# Altium PCB SerializerBoard.PcbDoc (part 1 of 2) (continued)
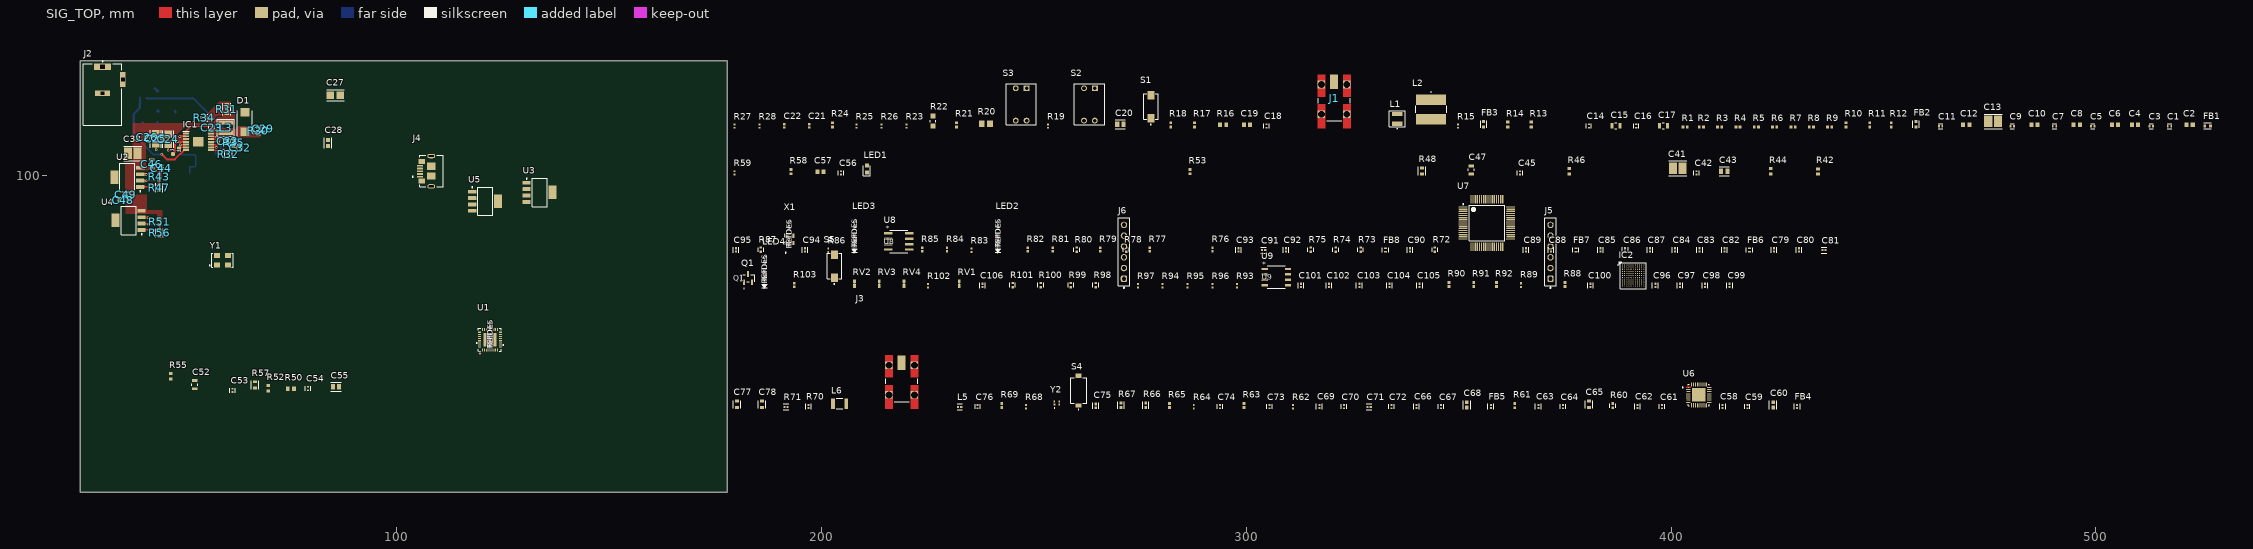
[diagram p0: SIG_TOP view]
## Components (designator, comment, footprint, x,y, rotation, side; value= is the part's Value field where it differs from the comment) (continued)
L3 "4.7uH" XFL4020472MEB 59.725,111.225 r90 top
L4 "4.7uH" XFL4020472MEB 47.85,113.75 r270 bottom
L5 "1000R" FP-BLM15-0_05-IPC_C 232.511,45.502 r0 top
L6 "47uH" IND_ADL3225V-470MT-TL000 204.235,46.252 r0 top
LED1 "Red" LEDC1608X55N 210.66,101.505 r90 top
LED2 "Green" LED_LTW-C193TS5_LTO 241.487,85.104 r90 top
LED3 "Green" LED_LTW-C193TS5_LTO 207.71,85.104 r90 top
LED4 "Green" LED_LTW-C193TS5_LTO 186.509,76.754 r90 top
Q1 "T2N7002AK" SOT-23_TOS 182.659,75.804 r0 top
R1 "10k" RESC1005X40X25ML05T05 403.345,111.405 r0 top
R2 "10k" RESC1005X40X25ML05T05 407.145,111.405 r0 top
R3 "10k" RESC1005X40X25ML05T05 411.47,111.405 r0 top
R4 "10k" RESC1005X40X25ML05T05 415.77,111.405 r0 top
R5 "10k" RESC1005X40X25ML05T05 420.095,111.405 r0 top
R6 "10k" RESC1005X40X25ML05T05 424.421,111.405 r0 top
R7 "10k" RESC1005X40X25ML05T05 428.746,111.405 r0 top
R8 "10k" RESC1005X40X25ML05T05 433.046,111.405 r0 top
R9 "10k" RESC1005X40X25ML05T05 437.371,111.405 r0 top
R10 "10k" RESC1005X40X25ML05T05 441.172,111.905 r90 top
R11 "10k" RESC1005X40X25ML05T05 446.772,111.905 r90 top
R12 "10k" RESC1005X40X25ML05T05 451.847,111.905 r90 top
R13 "1k" RESC1608X55X30LL15T15 367.093,111.955 r90 top
R14 "1k" RESC1608X55X30LL15T15 361.518,111.955 r90 top
R15 "0R" RESC1005X40X25LL05T05 349.867,111.605 r90 top
R16 "49.9R" RESC1608X55X30ML15T15 294.539,111.905 r0 top
R17 "10k" RESC1005X40X25ML05T05 287.789,111.905 r90 top
R18 "10k" RESC1005X40X25ML05T05 282.214,111.905 r90 top
R19 "0R" RESC1005X40X25LL05T05 253.262,111.605 r90 top
R20 "100k" RESC2013X70X40ML20T20 238.687,112.155 r0 top
R21 "10k" RESC1005X40X25ML05T05 231.761,111.905 r90 top
R22 "4.7k" FP-ERJ6GE-MFG 226.211,112.781 r90 top
R23 "0R" RESC1005X40X25LL05T05 219.936,111.605 r90 top
R24 "10k" RESC1005X40X25ML05T05 202.535,111.905 r90 top
R25 "0R" RESC1005X40X25LL05T05 208.235,111.605 r90 top
R26 "0R" RESC1005X40X25LL05T05 214.085,111.605 r90 top
R27 "4.7k" RESC1005X40X25LL05T05 179.509,111.605 r90 top
R28 "4.7k" RESC1005X40X25LL05T05 185.359,111.605 r90 top
R30 "1k" FP-CRCW0603-e3-MFG 67.325,110.5 r90 top
R31 "30.0K" FP-ERJ3EK-IPC_A 59.925,115.6 r90 top
R32 "0" FP-ERJ-3GEY0R00V-MFG 60.3,105 r270 top value=0Ω
R33 "10.0K" RESC1609X55X30LL15T15 41.05,118.85 r270 bottom
R34 "5.69k" FP-RN73R1E-IPC_A 54.65,113.6 r180 top
R35 "20.0K" RESC1608X55X30ML15T15 61.575,107.65 r270 top
R36 "10.0K" RESC1609X55X30LL15T15 39.5,118.925 r270 bottom
R37 "0" FP-ERJ-3GEY0R00V-MFG 40.2,116.95 r0 bottom value=0Ω
R38 "53k" FP-RN73R1E-MFG 57.3,104.575 r270 bottom
R39 "34.0K" RESC1608X55X30ML15T15 51.2,102.7 r270 bottom
R40 "20.0K" RESC1608X55X30ML15T15 51.85,100.55 r0 bottom
R41 "16.5K" RESC1608X55X30LL15T15 43.2,99.325 r90 bottom
R42 "16.5K" RESC1608X55X30LL15T15 434.621,100.905 r90 top
R43 "10.0K" RESC1609X55X30LL15T15 44.025,99.625 r270 top
R44 "10.0K" RESC1609X55X30LL15T15 423.446,100.955 r90 top
R45 "10.0K" RESC1609X55X30LL15T15 41.95,98.025 r270 bottom
R46 "10.0K" RESC1609X55X30LL15T15 376.043,100.955 r90 top
R47 "0" FP-ERJ-3GEY0R00V-MFG 44.025,97.1 r270 top value=0Ω
R48 "0" FP-ERJ-3GEY0R00V-MFG 341.342,101.03 r90 top value=0Ω
R49 "4.53K" RESC1608X55X30ML15T15 44.1,89.25 r90 bottom
R50 "4.53K" RESC1608X55X30ML15T15 75,49.8 r0 top
R51 "10.0K" RESC1609X55X30LL15T15 44.1,89.1 r270 top
R52 "10.0K" RESC1609X55X30LL15T15 69.675,49.85 r90 top
R53 "330" RESC1005X40X25ML05T05 286.739,100.855 r90 top
R54 "10.0K" RESC1609X55X30LL15T15 42.675,87.8 r270 bottom
R55 "10.0K" RESC1609X55X30LL15T15 46.725,52.675 r90 top
R56 "0" FP-ERJ-3GEY0R00V-MFG 44.125,86.425 r270 top value=0Ω
R57 "0" FP-ERJ-3GEY0R00V-MFG 66.575,50.65 r90 top value=0Ω
R58 "10K" RESC1005X40X25ML05T05 192.759,100.855 r90 top
R59 "0" RESC1005X40X25LL05T05 179.509,100.555 r90 top
R60 "49.9R" FP-CRCW0402-e3-MFG 386.294,45.752 r90 top
R61 "33R" RESC1005X40X25ML05T05 363.218,45.802 r90 top
R62 "4.7k" RESC1005X40X25LL05T05 310.99,45.502 r90 top
R63 "10k" RESC1005X40X25ML05T10 299.44,45.802 r90 top
R64 "4.7k" RESC1005X40X25LL05T05 287.614,45.502 r90 top
R65 "10k" RESC1005X40X25ML05T10 281.914,45.802 r90 top
R66 "4.7k" FP-CRCW0402-e3-IPC_A 276.313,45.877 r90 top
R67 "4.7k" FP-CRCW0402-e3-IPC_A 270.463,45.877 r90 top
R68 "0" RESC1005X40X25LL05T05 248.112,45.502 r90 top
R69 "10k" RESC1005X40X25ML05T10 242.437,45.802 r90 top
R70 "2.00k" FP-CRCW0402-e3-IPC_C 196.885,45.577 r90 top
R71 "0" FP-CRCW0402-e3-IPC_C 191.609,45.502 r0 top
R72 "22R" FP-RC0402-0_4-MFG 344.417,82.504 r90 top
R73 "22R" FP-RC0402-0_4-MFG 326.891,82.504 r90 top
R74 "22R" FP-RC0402-0_4-MFG 321.041,82.504 r90 top
R75 "22R" FP-RC0402-0_4-MFG 315.19,82.504 r90 top
R76 "100k" RESC1005X40X25NL05T10 292.039,82.529 r90 top
R77 "100k" RESC1005X40X25NL05T10 277.289,82.529 r90 top
R78 "22R" FP-RC0402-0_4-MFG 271.738,82.504 r90 top
R79 "12k" RESC1005X40X25NL05T10 265.588,82.529 r90 top
R80 "22R" FP-RC0402-0_4-MFG 260.063,82.504 r90 top
R81 "12k" RESC1005X40X25NL05T10 254.412,82.529 r90 top
R82 "2.49k" RESC1005X40X25NL05T10 248.562,82.529 r90 top
R83 "510R" RESC1005X40X25LL05T05 235.311,82.379 r90 top
R84 "12k" RESC1005X40X25NL05T10 229.511,82.529 r90 top
R85 "12k" RESC1005X40X25NL05T10 223.661,82.529 r90 top
R86 "510R" RESC1005X40X25LL05T05 201.56,82.379 r90 top
R87 "22R" FP-RC0402-0_4-MFG 185.709,82.504 r90 top
R88 "10k" RESC1005X40X25ML05T10 375.043,74.329 r90 top
R89 "1k" RESC1005X40X25NL05T05 364.668,74.179 r90 top
R90 "10k" RESC1005X40X25ML05T10 347.742,74.329 r90 top
R91 "10k" RESC1005X40X25ML05T10 353.567,74.329 r90 top
R92 "10k" RESC1005X40X25ML05T10 358.918,74.329 r90 top
R93 "4.7k" RESC1005X40X25LL05T05 297.84,74.029 r90 top
R94 "4.7k" RESC1005X40X25LL05T05 280.289,74.029 r90 top
R95 "4.7k" RESC1005X40X25LL05T05 286.139,74.029 r90 top
R96 "4.7k" RESC1005X40X25LL05T05 291.989,74.029 r90 top
R97 "4.7k" RESC1005X40X25LL05T05 274.463,74.029 r90 top
R98 "22R" FP-RC0402-0_4-MFG 264.538,74.154 r90 top
R99 "22R" FP-RC0402-0_4-MFG 258.688,74.154 r90 top
R100 "22R" FP-RC0402-0_4-MFG 251.587,74.154 r90 top
R101 "22R" FP-RC0402-0_4-MFG 244.962,74.154 r90 top
R102 "510R" RESC1005X40X25LL05T05 225.061,74.029 r90 top
R103 "12k" RESC1005X40X25NL05T10 193.584,74.179 r90 top
RV1 "CG0402MLU-3.3G" VARC1005X41N 232.386,74.504 r90 top
RV2 "*" VARC1005X41N 207.735,74.504 r90 top
RV3 "*" VARC1005X41N 213.585,74.504 r90 top
RV4 "*" VARC1005X41N 219.411,74.504 r90 top
S1 "EVQPNF04M" EVQ5PN05K 277.564,115.531 r90 top
S2 "78B02ST" 78B02ST 261.788,120.506 r0 top
S3 "78B02ST" 78B02ST 245.712,120.506 r0 top
S4 "KSR221G_LFS" KSR 260.513,49.327 r90 top
S5 "EVQPNF04M" EVQ5PN05K 203.035,77.954 r90 top
TP1 "TP_NOBOM" PAD_RND_1MM 47.25,105 r90 top
TP2 "TP_NOBOM" PAD_RND_1MM 48.7,106.35 r90 top
U1 "DS90UB913ATRTVTQ1" RTV32_3P1X3P1_TEX-L 121.9,61.3 r90 top
U2 "LP38693MP-ADJ/NOPB" NDC0005A_N 36.5,99.525 r180 top
U3 "LP38693MP-ADJ/NOPB" NDC0005A_N 133.6,96 r0 top
U4 "LP38693MP-ADJ/NOPB" NDC0005A_N 36.825,89.4 r180 top
U5 "LP38693MP-ADJ/NOPB" NDC0005A_N 120.775,93.9 r0 top
U6 "DS90UB933TRTVRQ1" FP-RTV0032A-IPC_A 406.545,48.302 r0 top
U7 "FT2232HL-Reel" LQFP-64_M 356.642,88.779 r0 top
U8 "AT93C46EN-SH-B" 8S1_ATM 218.136,84.454 r0 top
U9 "W25Q40CLSNIG" WIN_SN-8_WIN 307.065,76.054 r0 top
X1 "ECS-2520MV-120-BN-TR" SMD4_ECS-2520MV_ECS 192.384,84.929 r90 top
Y1 "ECS-3963-480-BN-TR" OSC_ECS-3963-480-BN-TR 58.9,80 r0 top
Y2 "DSC6111HI1B-048.0000B" DSC6111HI1B0480000B 255.387,46.402 r0 top

## Footprints (in the part's own frame and the unit in brackets; to place one, negate y for a bottom-side part, rotate by r counter-clockwise, add the part's x,y. Pads: shape width x height; smd on the part's side, far side on the other; paste and mask are expansions set on the pad)
8S1_ATM [mm]
  rect 1.981x0.561 smd paste+0 mask+0: 1(-2.465,1.905) 2(-2.465,0.635) 3(-2.465,-0.635) 4(-2.465,-1.905) 5(2.465,-1.905) 6(2.465,-0.635) 7(2.465,0.635) 8(2.465,1.905)
  silkscreen extent -2.12,-2.65 2.12,2.65, body extent -3.1,-2.52 3.1,2.52, height 1.75
78B02ST [mm]
  rect 1.381x1.381 hole 0.85: 1(2.54,0)
  round 1.381 hole 0.85: 2(0,-7.62) 3(0,0) 4(2.54,-7.62)
  silkscreen extent -2.28,-8.63 4.82,1.01, body extent -2.28,-8.63 4.82,1.01, height 7.11
1008PS [mm]
  rect 2.54x1.02 smd: 1(0,-1.145) 2(0,1.145)
  silkscreen extent -1.89,-2.38 1.89,1.91, body extent -1.89,-1.91 1.89,1.91, height 2.74
61300611821 [mm] "Socket Header, Pitch 2.54 mm, THT, Vertical, single row, 6p"
  rrect50% 1.52x1.52 hole 1.02: 1(-6.35,0)
  round 1.52 hole 1.02: 2(-3.81,0) 3(-1.27,0) 4(1.27,0) 5(3.81,0) 6(6.35,0)
  silkscreen extent -8.6,-1.35 8,1.35, body extent -7.87,-1.25 7.87,1.25, height 8.55
CAPC1005X55X25LL05T10 [mm] "Chip Capacitor, 2-Leads, Body 1.00x0.50mm, IPC High Density"
  rect 0.56x0.52 smd: 1(-0.39,0) 2(0.39,0)
  body extent -0.53,-0.28 0.53,0.28, height 0.55
CAPC1608X90X35ML10T15 [mm] "Chip Capacitor, 2-Leads, Body 1.60x0.80mm, IPC Low Density"
  rect 0.95x1.05 smd: 1(-0.725,0) 2(0.725,0)
  body extent -0.85,-0.45 0.85,0.45, height 0.9
CSFBGA-121_L6.0-W6.0-R11-C11-P0.50-TL [mm]
  round 0.24 smd paste-100 mask+0.05: A1(-2.263,2.386) A2(-1.763,2.386) A3(-1.263,2.386) A4(-0.763,2.386) A5(-0.263,2.386) A6(0.237,2.386) A7(0.737,2.386) A8(1.237,2.386) A9(1.737,2.386) A10(2.237,2.386) A11(2.737,2.386) B1(-2.263,1.886) B2(-1.763,1.886) B3(-1.263,1.886) B4(-0.763,1.886) B5(-0.263,1.886) B6(0.237,1.886) B7(0.737,1.886) B8(1.237,1.886) B9(1.737,1.886) B10(2.237,1.886) B11(2.737,1.886) C1(-2.263,1.386) C2(-1.763,1.386) C3(-1.263,1.386) C4(-0.763,1.386) C5(-0.263,1.386) C6(0.237,1.386) C7(0.737,1.386) C8(1.237,1.386) C9(1.737,1.386) C10(2.237,1.386) C11(2.737,1.386) D1(-2.263,0.886) D2(-1.763,0.886) D3(-1.263,0.886) D4(-0.763,0.886) D5(-0.263,0.886) D6(0.237,0.886) D7(0.737,0.886) D8(1.237,0.886) D9(1.737,0.886) D10(2.237,0.886) D11(2.737,0.886) E1(-2.263,0.386) E2(-1.763,0.386) E3(-1.263,0.386) E4(-0.763,0.386) E5(-0.263,0.386) E6(0.237,0.386) E7(0.737,0.386) E8(1.237,0.386) E9(1.737,0.386) E10(2.237,0.386) E11(2.737,0.386) F1(-2.263,-0.114) F2(-1.763,-0.114) F3(-1.263,-0.114) F4(-0.763,-0.114) F5(-0.263,-0.114) F6(0.237,-0.114) F7(0.737,-0.114) F8(1.237,-0.114) F9(1.737,-0.114) F10(2.237,-0.114) F11(2.737,-0.114) G1(-2.263,-0.614) G2(-1.763,-0.614) G3(-1.263,-0.614) G4(-0.763,-0.614) G5(-0.263,-0.614) G6(0.237,-0.614) G7(0.737,-0.614) G8(1.237,-0.614) G9(1.737,-0.614) G10(2.237,-0.614) G11(2.737,-0.614) H1(-2.263,-1.114) H2(-1.763,-1.114) H3(-1.263,-1.114) H4(-0.763,-1.114) H5(-0.263,-1.114) H6(0.237,-1.114) H7(0.737,-1.114) H8(1.237,-1.114) H9(1.737,-1.114) H10(2.237,-1.114) H11(2.737,-1.114) J1(-2.263,-1.614) J2(-1.763,-1.614) J3(-1.263,-1.614) J4(-0.763,-1.614) J5(-0.263,-1.614) J6(0.237,-1.614) J7(0.737,-1.614) J8(1.237,-1.614) J9(1.737,-1.614) J10(2.237,-1.614) J11(2.737,-1.614) K1(-2.263,-2.114) K2(-1.763,-2.114) K3(-1.263,-2.114) K4(-0.763,-2.114) K5(-0.263,-2.114) K6(0.237,-2.114) K7(0.737,-2.114) K8(1.237,-2.114) K9(1.737,-2.114) K10(2.237,-2.114) K11(2.737,-2.114) L1(-2.263,-2.614) L2(-1.763,-2.614) L3(-1.263,-2.614) L4(-0.763,-2.614) L5(-0.263,-2.614) L6(0.237,-2.614) L7(0.737,-2.614) L8(1.237,-2.614) L9(1.737,-2.614) L10(2.237,-2.614) L11(2.737,-2.614)
  silkscreen extent -3.39,-3.19 3.31,3.19, body extent -2.79,-3.05 3.21,2.95, height 1
DIOM5436X256N [mm]
  rect 2x2.05 smd: 1(-2.3,0) 2(2.3,0)
  silkscreen extent -3.3,-1.78 2.7,1.78, body extent -2.7,-1.78 2.7,1.78, height 2.56
DSC6111HI1B0480000B [mm]
  rect 0.43x0.5 smd: 1(-0.56,-0.375)
  rect 0.35x0.5 smd: 2(0.6,-0.375) 3(0.6,0.375) 4(-0.6,0.375)
  silkscreen extent -0.61,-1.2 -0.51,-1.1, body extent -0.8,-0.6 0.8,0.6, height 0.99
EVQ5PN05K [mm]
  rect 2x1.6 smd: A1(-2.05,0) B1(3.35,0)
  silkscreen extent -3.65,-1.75 3.65,1.75
FP-BLM15-0_05-d0_7-MFG [mm]
  rect 0.4x0.7 smd paste-1000 mask-1000: 1(-0.4,0) 2(0.4,0)
  silkscreen extent -0.53,-0.72 0.52,0.72, body extent -0.7,-0.45 0.7,0.45, height 0.25
FP-BLM15-0_05-IPC_C [mm]
  rect 0.515x0.472 smd paste+0 mask+0: 1(-0.379,0) 2(0.379,0)
  silkscreen extent -0.64,-0.67 0.64,0.67, body extent -0.74,-0.38 0.74,0.38, height 0.25
FP-BLM18-0_15-t0_8-MFG [mm]
  rect 0.65x0.7 smd paste+0 mask+0: 1(-0.675,0) 2(0.675,0)
  silkscreen extent -0.87,-0.72 0.87,0.72, body extent -1.1,-0.58 1.1,0.58, height 0.25
FP-C0402-BB-MFG [mm]
  rect 0.52x0.52 smd paste+0 mask+0: 1(-0.4,0) 2(0.4,0)
  silkscreen extent -0.5,-0.64 0.5,0.64, body extent -0.5,-0.25 0.5,0.25, height 0.55
FP-C1005-050-0_05-IPC_B [mm]
  rect 0.639x0.572 smd paste+0 mask+0: 1(-0.417,0) 2(0.417,0)
  silkscreen extent -0.74,-0.69 0.74,0.69, body extent -0.89,-0.44 0.89,0.44, height 0.25
FP-C1005-050-0_05-IPC_C [mm]
  rect 0.539x0.472 smd paste+0 mask+0: 1(-0.367,0) 2(0.367,0)
  silkscreen extent -0.64,-0.67 0.64,0.67, body extent -0.74,-0.38 0.74,0.38, height 0.25
FP-C2012-125-0_2-MFG [mm]
  rect 0.8x1.05 smd paste+0 mask+0: 1(-0.925,0) 2(0.925,0)
  silkscreen extent -0.15,-0.72 0.15,0.72, body extent -1,-0.63 1,0.63, height 1.45
FP-C3216-160-0_2-IPC_B [mm]
  rect 1.754x1.806 smd paste+0 mask+0: 1(-1.176,0) 2(1.176,0)
  silkscreen extent -2.05,-1.3 2.05,1.3, body extent -2.3,-1.15 2.3,1.15, height 0.25
FP-CL278-IPC_C [mm]
  rect 0.515x0.472 smd paste+0 mask+0: 1(-0.379,0) 2(0.379,0)
  silkscreen extent -0.64,-0.67 0.64,0.67, body extent -0.74,-0.38 0.74,0.38, height 0.25
FP-CL282-IPC_C [mm]
  rect 0.515x0.472 smd paste+0 mask+0: 1(-0.379,0) 2(0.379,0)
  silkscreen extent -0.64,-0.67 0.64,0.67, body extent -0.74,-0.38 0.74,0.38, height 0.25
FP-CRCW0402-e3-IPC_A [mm]
  rect 0.668x0.672 smd paste+0 mask+0: 1(-0.502,0) 2(0.502,0)
  silkscreen extent -0.84,-0.74 0.84,0.74, body extent -1.04,-0.54 1.04,0.54, height 0.25
FP-CRCW0402-e3-IPC_C [mm]
  rect 0.468x0.472 smd paste+0 mask+0: 1(-0.402,0) 2(0.402,0)
  silkscreen extent -0.64,-0.67 0.64,0.67, body extent -0.74,-0.38 0.74,0.38, height 0.25
FP-CRCW0402-e3-MFG [mm]
  rect 0.6x0.6 smd paste+0 mask+0: 1(-0.525,0) 2(0.525,0)
  silkscreen extent -0.53,-0.7 0.53,0.7, body extent -0.92,-0.4 0.92,0.4, height 0.25
FP-CRCW0603-e3-MFG [mm]
  rect 0.75x1 smd paste+0 mask+0: 1(-0.75,0) 2(0.75,0)
  silkscreen extent -0.8,-0.9 0.8,0.9, body extent -1.22,-0.6 1.22,0.6, height 0.25
FP-ERJ3EK-IPC_A [mil]
  rect 45.53x41.82 smd paste+0 mask+0: 1(-33.5,0) 2(33.5,0)
  silkscreen extent -56,-37 56,37, body extent -76,-41 76,41, height 10
FP-ERJ6GE-MFG [mm]
  rect 1.15x1.15 smd paste+0 mask+0: 1(-1.175,0) 2(1.175,0)
  silkscreen extent -0.23,-0.67 0.22,0.67, body extent -1.85,-0.77 1.85,0.77, height 0.25
FP-ERJ-3GEY0R00V-MFG [mm]
  rect 0.65x0.9 smd paste+0 mask+0: 1(-0.725,0) 2(0.725,0)
  silkscreen extent -1.03,-0.87 1.03,0.87, body extent -1.15,-0.58 1.15,0.58, height 0.25
FP-GCM32E-0_3-IPC_B [mm]
  rect 1.903x2.706 smd paste+0 mask+0: 1(-1.151,0) 2(1.151,0)
  silkscreen extent -2.1,-1.75 2.1,1.75, body extent -2.35,-1.6 2.35,1.6, height 0.25
FP-GCM155-0_05-IPC_C [mm]
  rect 0.515x0.472 smd paste+0 mask+0: 1(-0.379,0) 2(0.379,0)
  silkscreen extent -0.64,-0.67 0.64,0.67, body extent -0.74,-0.38 0.74,0.38, height 0.25
FP-GRM15-MFG [mm]
  rect 0.4x0.5 smd paste+0 mask+0: 1(-0.4,0) 2(0.4,0)
  silkscreen extent -0.53,-0.63 0.53,0.63, body extent -0.7,-0.38 0.7,0.38, height 0.25
FP-GRM21B-0_1-IPC_C [mm]
  rect 0.958x1.262 smd paste+0 mask+0: 1(-0.727,0) 2(0.727,0)
  silkscreen extent -1.21,-1.07 1.21,1.07, body extent -1.31,-0.77 1.31,0.77, height 0.25
FP-GRM21B-0_15-MFG [mm]
  rect 0.7x1.3 smd paste+0 mask+0: 1(-0.95,0) 2(0.95,0)
  silkscreen extent -0.23,-0.7 0.23,0.7, body extent -1.4,-0.8 1.4,0.8, height 0.25
FP-GRM188-0_1-e0_2_0_5-IPC_B [mm]
  rect 0.959x0.912 smd paste+0 mask+0: 1(-0.727,0) 2(0.727,0)
  silkscreen extent -1.21,-0.86 1.21,0.86, body extent -1.46,-0.71 1.46,0.71, height 0.25
FP-GRM188-0_2-MFG [mm]
  rect 0.75x0.9 smd paste+0 mask+0: 1(-0.775,0) 2(0.775,0)
  silkscreen extent -0.9,-0.9 0.9,0.9, body extent -1.25,-0.6 1.25,0.6, height 0.25
FP-GRM188-0_15-IPC_C [mm]
  rect 0.856x0.858 smd paste+0 mask+0: 1(-0.601,0) 2(0.601,0)
  silkscreen extent -1.03,-0.87 1.03,0.87
FP-RC0402-0_4-MFG [mm]
  rect 0.5x0.6 smd: 1(-0.5,0) 2(0.5,0)
  silkscreen extent -0.5,-0.67 0.5,0.67, body extent -0.85,-0.4 0.85,0.4, height 0.25
FP-RN73R1E-IPC_A [mm]
  rect 0.688x0.672 smd paste+0 mask+0: 1(-0.514,0) 2(0.514,0)
  silkscreen extent -0.86,-0.74 0.86,0.74, body extent -1.06,-0.54 1.06,0.54, height 0.25
FP-RN73R1E-MFG [mm]
  rect 0.4x0.3 smd paste+0 mask+0: 1(-0.45,0) 2(0.45,0)
  silkscreen extent -0.4,-0.53 0.4,0.53, body extent -0.5,-0.25 0.5,0.25, height 0.4
FP-RTV0032A-IPC_A [mm]
  round 0.215 smd paste+0 mask+0: 1(-2.463,1.75)
  rrect100% 1.057x0.239 smd paste+0 mask+0: 2(-2.451,1.25) 3(-2.451,0.75) 4(-2.451,0.25) 5(-2.451,-0.25) 6(-2.451,-0.75) 7(-2.451,-1.25) 8(-2.451,-1.75) 17(2.451,-1.75) 18(2.451,-1.25) 19(2.451,-0.75) 20(2.451,-0.25) 21(2.451,0.25) 22(2.451,0.75) 23(2.451,1.25) 24(2.451,1.75)
  rrect100% 0.239x1.057 smd paste+0 mask+0: 9(-1.75,-2.451) 10(-1.25,-2.451) 11(-0.75,-2.451) 12(-0.25,-2.451) 13(0.25,-2.451) 14(0.75,-2.451) 15(1.25,-2.451) 16(1.75,-2.451) 25(1.75,2.451) 26(1.25,2.451) 27(0.75,2.451) 28(0.25,2.451) 29(-0.25,2.451) 30(-0.75,2.451) 31(-1.25,2.451) 32(-1.75,2.451)
  rect 3.2x3.2 smd paste-1000 mask+0: ""(0,0)
  SIG_TOP region: -2.979,1.87 -2.042,1.87 -1.996,1.861 -1.957,1.835 -1.931,1.796 -1.922,1.75 -1.922,1.75 -1.931,1.704 -1.957,1.665 -1.996,1.639 -2.042,1.63 -2.042,1.63 -2.979,1.63
  silkscreen extent -3.9,-2.5 2.5,2.5, body extent -3.48,-3.48 3.48,3.48, height 0.25
GCT_USB3076-XX-X_REVC5 [mm]
  rect 0.4x1.4 smd: 1(-1.3,2.65) 2(-0.65,2.65) 3(0,2.65) 4(0.65,2.65) 5(1.3,2.65)
  oval 1.05x1.85 hole 0.45 slot 1.252 at 90 deg: 6(-3.575,0) 7(3.575,0)
  rect 1.15x1.45 smd: 8(-2.32,2.23) 9(2.32,2.23)
  rect 1.75x1.9 smd: 10(-1.125,0) 11(1.125,0)
  silkscreen extent -3.7,-2.8 3.7,4.45, body extent -3.7,-2.78 3.7,2.78, height 2.66
IND_ADL3225V-470MT-TL000 [mm]
  rect 0.9x2.5 smd: 1(-1.55,0) 2(1.55,0)
  silkscreen extent -0.78,-1.25 0.78,1.25, body extent -1.55,-1.23 1.65,1.27, height 2.5
KSR [mm]
  rect 1x1.4 smd: 1(-3.5,0) 2(3.5,0)
  silkscreen extent -4.5,-1.9 3,1.9, body extent -3.68,-1.92 3.62,1.92, height 2.5
LED_LTW-C193TS5_LTO [mil]
  rect 31x31 smd paste+0 mask+0: 1(-29.5,0) 2(29.5,0)
  SIG_TOP keep-out region: -12,-14 -12,14 12,14 12,-14
  silkscreen extent -135,-25 -85,25, body extent -31,-16 31,16, height 14
LEDC1608X55N [mm]
  rect 0.9x0.95 smd: 1(-0.8,0) 2(0.8,0)
  silkscreen extent -1.6,-0.82 0.8,0.82, body extent -0.83,-0.4 0.77,0.4, height 0.55
LQFP-64_M [mm] "Thin QFP, 64-Leads, Body 10x10mm, Pitch 0.5mm, IPC Low Density"
  oval 2.1x0.3 smd: 1(-5.6,3.75) 2(-5.6,3.25) 3(-5.6,2.75) 4(-5.6,2.25) 5(-5.6,1.75) 6(-5.6,1.25) 7(-5.6,0.75) 8(-5.6,0.25) 9(-5.6,-0.25) 10(-5.6,-0.75) 11(-5.6,-1.25) 12(-5.6,-1.75) 13(-5.6,-2.25) 14(-5.6,-2.75) 15(-5.6,-3.25) 16(-5.6,-3.75) 33(5.6,-3.75) 34(5.6,-3.25) 35(5.6,-2.75) 36(5.6,-2.25) 37(5.6,-1.75) 38(5.6,-1.25) 39(5.6,-0.75) 40(5.6,-0.25) 41(5.6,0.25) 42(5.6,0.75) 43(5.6,1.25) 44(5.6,1.75) 45(5.6,2.25) 46(5.6,2.75) 47(5.6,3.25) 48(5.6,3.75)
  oval 0.3x2.1 smd: 17(-3.75,-5.6) 18(-3.25,-5.6) 19(-2.75,-5.6) 20(-2.25,-5.6) 21(-1.75,-5.6) 22(-1.25,-5.6) 23(-0.75,-5.6) 24(-0.25,-5.6) 25(0.25,-5.6) 26(0.75,-5.6) 27(1.25,-5.6) 28(1.75,-5.6) 29(2.25,-5.6) 30(2.75,-5.6) 31(3.25,-5.6) 32(3.75,-5.6) 49(3.75,5.6) 50(3.25,5.6) 51(2.75,5.6) 52(2.25,5.6) 53(1.75,5.6) 54(1.25,5.6) 55(0.75,5.6) 56(0.25,5.6) 57(-0.25,5.6) 58(-0.75,5.6) 59(-1.25,5.6) 60(-1.75,5.6) 61(-2.25,5.6) 62(-2.75,5.6) 63(-3.25,5.6) 64(-3.75,5.6)
  silkscreen extent -5.72,-4.15 4.15,4.57, body extent -5,-5 5,5, height 1.6
MSS7341T104MLB [mm]
  rect 7.1x2.5 smd: 1(0,2.3) 2(0,-2.3)
  silkscreen extent -3.65,-0.8 3.65,4.1, body extent -3.78,-3.78 3.78,3.78, height 4.08
NDC0005A_N [mm] "SOT223, 5-Leads, Body 6.7x3.71mm, Pitch 1.5mm, IPC Medium Density"
  rrect11% 1.9x0.9 smd: 1(-3.05,2.25) 2(-3.05,0.75) 3(-3.05,-0.75) 4(-3.05,-2.25)
  rrect5% 1.9x3.2 smd: 5(3.05,0)
  silkscreen extent -3.18,-3.35 1.8,3.37, body extent -3.48,-3.25 3.48,3.25, height 1.7
OSC_ECS-3963-480-BN-TR [mm]
  rect 1.4x1.2 smd: 1(-1.27,-1.1) 2(1.27,-1.1) 3(1.27,1.1) 4(-1.27,1.1)
  silkscreen extent -3.1,-1.6 2.5,1.6, body extent -2.5,-1.6 2.5,1.6, height 1.3
PAD_RND_1MM [mm]
  round 1 smd paste-0.5 mask+0: 1(0,0)
RESC1005X40X25LL05T05 [mm] "Chip Resistor, 2-Leads, Body 1.05x0.55mm, IPC High Density"
  rect 0.45x0.45 smd: 1(-0.4,0) 2(0.4,0)
  body extent -0.53,-0.28 0.53,0.28, height 0.4
RESC1005X40X25ML05T05 [mm] "Chip Resistor, 2-Leads, Body 1.00x0.50mm, IPC Low Density"
  rect 0.65x0.65 smd: 1(-0.5,0) 2(0.5,0)
  body extent -0.53,-0.27 0.53,0.28, height 0.4
RESC1005X40X25ML05T10 [mm] "Chip Resistor, 2-Leads, Body 1.00x0.50mm, IPC Low Density"
  rect 0.7x0.65 smd: 1(-0.475,0) 2(0.475,0)
  body extent -0.53,-0.27 0.53,0.28, height 0.4
RESC1005X40X25NL05T05 [mm] "Chip Resistor, 2-Leads, Body 1.05x0.55mm, IPC Medium Density"
  rect 0.55x0.55 smd: 1(-0.45,0) 2(0.45,0)
  body extent -0.53,-0.28 0.53,0.28, height 0.4
RESC1005X40X25NL05T10 [mm] "Chip Resistor, 2-Leads, Body 1.00x0.50mm, IPC Medium Density"
  rect 0.6x0.55 smd: 1(-0.425,0) 2(0.425,0)
  body extent -0.53,-0.27 0.53,0.28, height 0.4
RESC1608X55X30LL15T15 [mm] "Chip Resistor, 2-Leads, Body 1.60x0.80mm, IPC High Density"
  rect 0.7x0.85 smd: 1(-0.625,0) 2(0.625,0)
  body extent -0.87,-0.48 0.87,0.48, height 0.55
RESC1608X55X30ML15T15 [mm] "Chip Resistor, 2-Leads, Body 1.60x0.80mm, IPC Low Density"
  rect 0.9x1.05 smd: 1(-0.725,0) 2(0.725,0)
  body extent -0.87,-0.48 0.87,0.48, height 0.55
RESC1609X55X30LL15T15 [mm] "Chip Resistor, 2-Leads, Body 1.75x0.95mm, IPC High Density"
  rect 0.75x0.85 smd: 1(-0.65,0) 2(0.65,0)
  body extent -0.87,-0.48 0.87,0.48, height 0.55
RESC2013X70X40ML20T20 [mm] "Chip Resistor, 2-Leads, Body 2.00x1.25mm, IPC Low Density"
  rect 1.35x1.55 smd: 1(-0.975,0) 2(0.975,0)
  body extent -1.1,-0.72 1.1,0.72, height 0.7
ROSENBERGER_59S2AQ-40MT5-Z_1 [mm]
  rect 1.9x3.4 smd: 1(0,-1.7)
  rect 1.8x1.8 hole 1.6: 2(-3,-2.3) 3(-3,-9.3) 4(3,-9.3) 5(3,-2.3)
  SIG_TOP region: 3.9,-5.2 2.1,-5.2 2.1,0 3.9,0
  SIG_TOP region: -2.1,-5.2 -3.9,-5.2 -3.9,0 -2.1,0
  SIG_TOP region: 3.9,-12.6 2.1,-12.6 2.1,-7 3.9,-7
  SIG_TOP region: -2.1,-12.6 -3.9,-12.6 -3.9,-7 -2.1,-7
  silkscreen extent -3.75,-10.9 3.75,-5.52, body extent -4.25,-10.99 4.25,11.46, height 6.25
RTV32_3P1X3P1_TEX-L [mm]
  rect 0.703x0.249 smd paste+0 mask+0: 1(-2.427,1.75) 2(-2.427,1.25) 3(-2.427,0.75) 4(-2.427,0.25) 5(-2.427,-0.25) 6(-2.427,-0.75) 7(-2.427,-1.25) 8(-2.427,-1.75) 17(2.427,-1.75) 18(2.427,-1.25) 19(2.427,-0.75) 20(2.427,-0.25) 21(2.427,0.25) 22(2.427,0.75) 23(2.427,1.25) 24(2.427,1.75)
  rect 0.249x0.703 smd paste+0 mask+0: 9(-1.75,-2.427) 10(-1.25,-2.427) 11(-0.75,-2.427) 12(-0.25,-2.427) 13(0.25,-2.427) 14(0.75,-2.427) 15(1.25,-2.427) 16(1.75,-2.427) 25(1.75,2.427) 26(1.25,2.427) 27(0.75,2.427) 28(0.25,2.427) 29(-0.25,2.427) 30(-0.75,2.427) 31(-1.25,2.427) 32(-1.75,2.427)
  rect 3.1x3.1 smd paste-1.55 mask+0: 33(0,0)
  silkscreen extent -2.7,-3.29 3.29,3.29, body extent -2.58,-2.58 2.58,2.58, height 0.8
SMD4_ECS-2520MV_ECS [mil]
  rect 39x29 smd paste+0 mask+0: 1(-34,34.06) 2(-34,-34.06) 3(34,-34.06) 4(34,34.06)
  silkscreen extent -128,-6 46,38, body extent -41,-51 41,51, height 32
SOP65P640X120-15N [mm]
  rect 1.475x0.45 smd: 1(-2.938,1.95) 2(-2.938,1.3) 3(-2.938,0.65) 4(-2.938,0) 5(-2.938,-0.65) 6(-2.938,-1.3) 7(-2.938,-1.95) 8(2.938,-1.95) 9(2.938,-1.3) 10(2.938,-0.65) 11(2.938,0) 12(2.938,0.65) 13(2.938,1.3) 14(2.938,1.95)
  rect 2.46x2.31 smd: 15(0,0)
  silkscreen extent -3.67,2.52 -2.2,2.52, body extent -3.2,-2.5 3.2,2.5, height 1.13
SOT-23_TOS [mil]
  rect 22x54 smd paste+0 mask+0: 1(-37.4,-38) 2(37.4,-38) 3(0,38)
  silkscreen extent -64,-98 64,32, body extent -59,-51 59,51, height 39
SWITCH-RAPC712X-3_V [mm] "CONN, 3-Leads, Body 14.5x9mm"
  rect 4.1x1.55 hole 1.01 square: 1(0,3.125)
  rect 3.55x1.3 hole 0.76 square: 2(0,-3.125)
  rect 1.3x3.55 hole 0.76 square: 3(4.8,0.125)
  silkscreen extent -4.5,-10.68 4.5,4.57, body extent -4.5,-10.68 4.5,3.83, height 11
VARC1005X41N [mm]
  rect 0.85x0.65 smd: 1(-0.55,0) 2(0.55,0)
  silkscreen extent 0,-0.15 0,0.15, body extent -0.5,-0.25 0.5,0.25, height 0.41
WIN_SN-8_WIN [mil]
  rect 57.5x22 smd paste+0 mask+0: 1(-107.25,75) 2(-107.25,25) 3(-107.25,-25) 4(-107.25,-75) 5(107.25,-75) 6(107.25,-25) 7(107.25,25) 8(107.25,75)
  silkscreen extent -84,-103 84,103, body extent -122,-98 122,98, height 69
XFL4020472MEB [mm]
  rect 0.98x3.4 smd: 1(-1.185,0) 2(1.185,0)
  silkscreen extent -2,-2 2,2, body extent -2,-2 2,2, height 2.2